# Allegro board rpi-cm4-carrierboard.brd (continued)
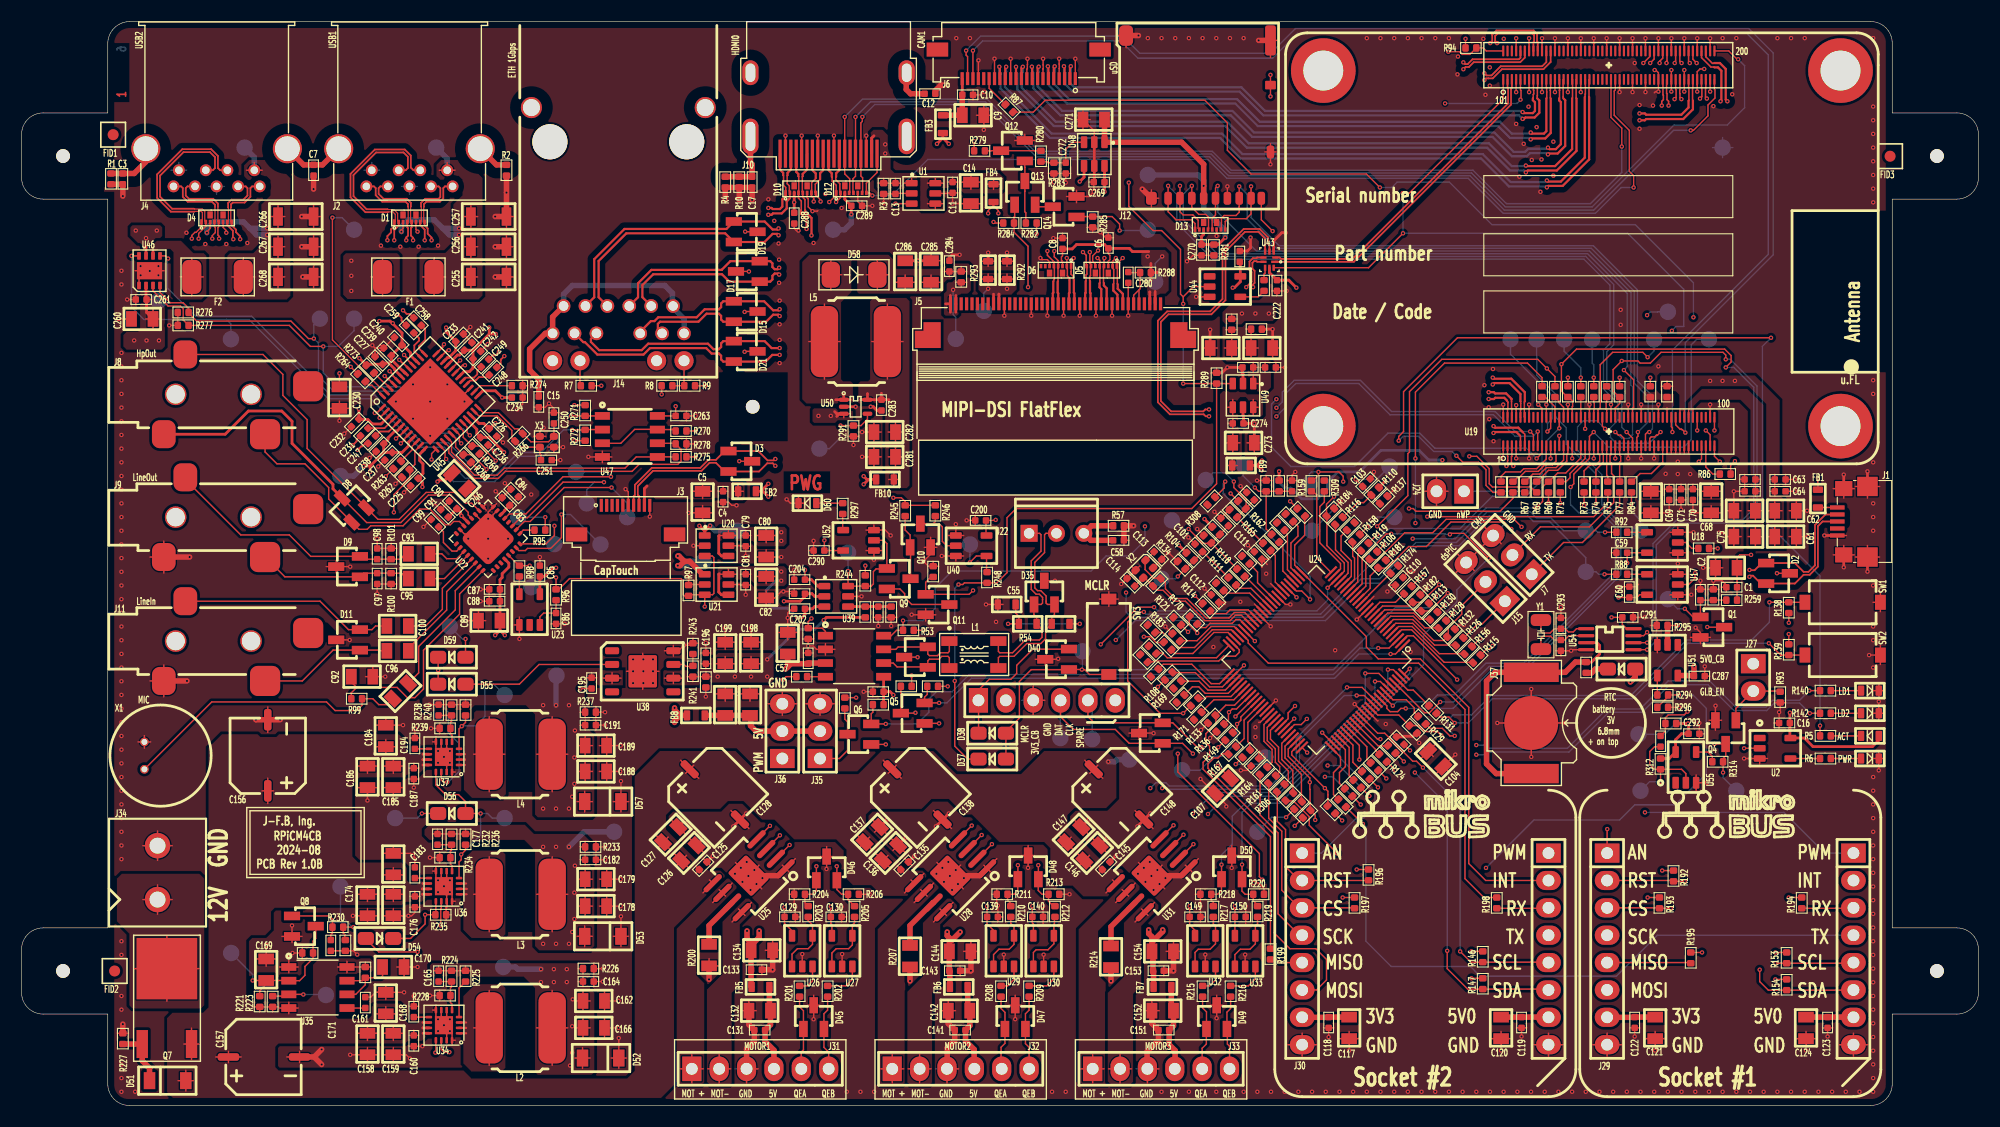
[diagram p0: board, top side]
## Placement (name value [footprint] x y rotation side) (continued)
R123  22R  [0402_RES_IPC]  108.5 37.1 45 top
R124  22R  [0402_RES_IPC]  126.7 31.9 135 top
R125  22R  [0402_RES_IPC]  127.5 32.7 135 top
R126  22R  [0402_RES_IPC]  133.8 43.4 225 top
R127  22R  [0402_RES_IPC]  123.5 28.7 135 top
R128  22R  [0402_RES_IPC]  132.2 45 225 top
R129  22R  [0402_RES_IPC]  130.3 35.4 135 top
R130  22R  [0402_RES_IPC]  131.4 45.8 225 top
R131  22R  [0402_RES_IPC]  131.3 36.4 135 top
R132  10K  [0402_RES_IPC]  132.3 43.5 45 top
R133  10K  [0402_RES_IPC]  110.8 36.2 225 top
R134  10K  [0402_RES_IPC]  108 49.8 135 top
R135  10K  [0402_RES_IPC]  110.4 52.2 135 top
R136  10K  [0402_RES_IPC]  111.6 35.4 225 top
R137  10K  [0402_RES_IPC]  126.05 55.85 45 top
R138  10K  [0402_RES_IPC]  164 45.7 90 top
R139  10K  [0402_RES_IPC]  164 42.8 270 top
R140  470R  [0402_RES_IPC]  166.9 38.5 0 top
R142  470R  [0402_RES_IPC]  166.9 36.4 0 top
R143  1Meg  [0402_RES_IPC]  105 48.2 45 top
R145  10K  [0402_RES_IPC]  129.5 34.55 135 top
R146  4K7  [0402_RES_IPC]  135.6 14.3 270 top
R147  4K7  [0402_RES_IPC]  135.6 11.8 270 top
R148  10K  [0402_RES_IPC]  118.4 55.4 315 top
R149  10K  [0402_RES_IPC]  111.7 33.9 45 top
R150  10K  [0402_RES_IPC]  121.9 27.1 135 top
R151  10K  [0402_RES_IPC]  112.9 56.1 315 top
R152  8K06  [0402_RES_IPC]  116.7 58 270 top
R153  4K7  [0402_RES_IPC]  163.8 14.2 270 top
R154  4K7  [0402_RES_IPC]  163.8 11.7 270 top
R156  22R  [0402_RES_IPC]  134.6 42.6 225 top
R157  22R  [0402_RES_IPC]  129 48.2 225 top
R158  22R  [0402_RES_IPC]  124.2 53 225 top
R159  22R  [0402_RES_IPC]  119.7 58 270 top
R160  22R  [0402_RES_IPC]  110.85 48.5 315 top
R161  22R  [0402_RES_IPC]  115.7 29.9 45 top
R162  10K  [0402_RES_IPC]  116 53 315 top
R163  22R  [0402_RES_IPC]  118.1 27.5 45 top
R164  22R  [0402_RES_IPC]  114.9 30.7 45 top
R165  10K  [0402_RES_IPC]  115.2 52.2 315 top
R166  22R  [0402_RES_IPC]  113.3 32.3 45 top
R167  22R  [0402_RES_IPC]  112 32.6 45 top
R168  22R  [0402_RES_IPC]  103.8 41.85 315 top
R169  22R  [0402_RES_IPC]  106.9 38.7 45 top
R170  22R  [0402_RES_IPC]  108.4 45.4 315 top
R171  22R  [0402_RES_IPC]  108.8 35.8 45 top
R172  22R  [0402_RES_IPC]  113.25 51 315 top
R173  22R  [0402_RES_IPC]  117.3 28.3 45 top
R174  22R  [0402_RES_IPC]  127.75 50.1 225 top
R175  22R  [0402_RES_IPC]  122.9 27.7 135 top
R176  4K7  [0402_RES_IPC]  82.6 38.9 180 top
R177  4K7  [0402_RES_IPC]  85.05 38.9 180 top
R181  10K  [0402_RES_IPC]  125.9 49.9 45 top
R182  10K  [0402_RES_IPC]  129.1 46.7 45 top
R183  10K  [0402_RES_IPC]  107.5 43.1 135 top
R184  10K  [0402_RES_IPC]  121.1 54.7 45 top
R185  100K  [0402_RES_IPC]  112.1 55.3 315 top
R186  12K  [0402_RES_IPC]  115.5 58 270 top
R189  4K7  [0402_RES_IPC]  76.4 37.85 270 top
R190  4K7  [0402_RES_IPC]  80 37.2 180 top
R192  10K  [0402_RES_IPC]  153.3 21.8 270 top
R193  10K  [0402_RES_IPC]  152 19.3 270 top
R194  22R  [0402_RES_IPC]  165.2 18.3 90 top
R195  22R  [0402_RES_IPC]  154.9 14.2 270 top
R196  10K  [0402_RES_IPC]  125 21.9 270 top
R197  10K  [0402_RES_IPC]  123.7 19.3 270 top
R198  22R  [0402_RES_IPC]  136.9 18.3 90 top
R199  22R  [0402_RES_IPC]  115.9 14.55 270 top
R200  200m  [0805_RES_IPC]  63.8 13.05 90 top
R201  22R  [0402_RES_IPC]  72.2 10.1 90 top
R202  22R  [0402_RES_IPC]  74.8 10.1 90 top
R203  4K7  [0402_RES_IPC]  73 17.5 90 top
R204  8K06  [0402_RES_IPC]  72.7 19.6 180 top
R205  4K7  [0402_RES_IPC]  77.3 17.5 90 top
R206  8K06  [0402_RES_IPC]  76.7 19.6 0 top
R207  200m  [0805_RES_IPC]  82.45 12.95 90 top
R208  22R  [0402_RES_IPC]  90.9 10.1 90 top
R209  22R  [0402_RES_IPC]  93.5 10.1 90 top
R210  4K7  [0402_RES_IPC]  91.8 17.5 90 top
R211  8K06  [0402_RES_IPC]  91.5 19.6 180 top
R212  4K7  [0402_RES_IPC]  95.9 17.5 90 top
R213  8K06  [0402_RES_IPC]  95.3 19.6 0 top
R214  200m  [0805_RES_IPC]  101.1 12.9 90 top
R215  22R  [0402_RES_IPC]  109.6 10.1 90 top
R216  22R  [0402_RES_IPC]  112.2 10.1 90 top
R217  4K7  [0402_RES_IPC]  110.6 17.5 90 top
R218  8K06  [0402_RES_IPC]  110.4 19.6 180 top
R219  4K7  [0402_RES_IPC]  114.7 17.5 90 top
R220  8K06  [0402_RES_IPC]  114.3 19.6 0 top
R221  100K  [0402_RES_IPC]  22.1 10.15 270 top
R222  100K  [0402_RES_IPC]  31.9 11.85 90 top
R223  30K1  [0402_RES_IPC]  23.3 9.15 90 top
R224  10K  [0402_RES_IPC]  39.9 11.5 90 top
R225  10K  [0402_RES_IPC]  41.2 12.5 270 top
R226  4K7  [0402_RES_IPC]  52.1 12.7 0 top
R227  12K  [0402_RES_IPC]  9.4 6.7 270 top
R228  1K91  [0402_RES_IPC]  38.8 10.2 0 top
R229  100K  [0402_RES_IPC]  26.05 14.15 0 top
R230  10K  [0402_RES_IPC]  29.85 16.55 180 top
R231  1K  [0402_RES_IPC]  30.05 14.35 90 top
R232  10K  [0402_RES_IPC]  39.9 24.2 90 top
R233  4K7  [0402_RES_IPC]  52.3 24 0 top
R234  3K24  [0402_RES_IPC]  38.8 23 0 top
R235  10K  [0402_RES_IPC]  38.4 17.7 0 top
R236  10K  [0402_RES_IPC]  41.2 25.2 270 top
R237  4K7  [0402_RES_IPC]  52.3 36.5 0 top
R238  10K  [0402_RES_IPC]  39.9 36.2 90 top
R239  8K06  [0402_RES_IPC]  38.8 35 0 top
R240  4K7  [0402_RES_IPC]  41.2 37.2 270 top
R241  30K1  [0402_RES_IPC]  62.3 40.8 270 top
R242  4K7  [0402_RES_IPC]  63.5 39.8 270 top
R243  30K1  [0402_RES_IPC]  62.3 42.9 270 top
R244  10K  [0402_RES_IPC]  78.3 49.2 270 top
R245  10K  [0402_RES_IPC]  82 55.7 270 top
R246  10K  [0402_RES_IPC]  84.8 55.7 270 top
R247  1K  [0402_RES_IPC]  78.3 46.3 270 top
R248  22R  [0402_RES_IPC]  89.6 49.5 270 top
R249  10K  [0402_RES_IPC]  80.7 46.3 270 top
R259  6K04  [0402_RES_IPC]  158.2 46.9 0 top
R260  10K  [0402_RES_IPC]  157 46.9 90 top
R261  22R  [0402_RES_IPC]  115.3 76.6 270 top
R262  10K  [0402_RES_IPC]  35.3 58.3 45 top
R263  22R  [0402_RES_IPC]  34.5 59.1 45 top
R264  10K  [0402_RES_IPC]  31.2 67.9 315 top
R266  NP  [0402_RES_IPC]  45.8 61.65 45 top
R268  10K  [0402_RES_IPC]  41 60.4 315 top
R269  10K  [0402_RES_IPC]  41.8 61.2 315 top
R270  10K  [0402_RES_IPC]  60.7 62.6 0 top
R271  10K  [0402_RES_IPC]  52.3 64 90 top
R272  10K  [0402_RES_IPC]  52.3 62.7 270 top
R273  10K  [0402_RES_IPC]  32 68.7 315 top
R274  1K6  [0402_RES_IPC]  46.5 66.8 180 top
R275  10K  [0402_RES_IPC]  60.7 60.2 0 top
R276  10K  [0402_RES_IPC]  14.5 73.6 0 top
R277  10K  [0402_RES_IPC]  14.5 72.4 0 top
R278  10K  [0402_RES_IPC]  61.7 61.4 180 top
R279  10K  [0402_RES_IPC]  89.4 88.6 180 top
R280  0R  [0402_RES_IPC]  94.6 87.6 90 top
R281  10K  [0402_RES_IPC]  110.65 78.9 90 top
R282  10K  [0402_RES_IPC]  93.2 81.9 0 top
R283  1Meg  [0402_RES_IPC]  95.8 87.5 270 top
R284  10K  [0402_RES_IPC]  92.1 81.9 180 top
R285  10K  [0402_RES_IPC]  99.4 81.5 90 top
R286  0R  [0402_RES_IPC]  112.3 73 270 top
R287  10K  [0402_RES_IPC]  115.1 72.05 180 top
R288  10K  [0402_RES_IPC]  104.8 77.3 180 top
R289  10K  [0402_RES_IPC]  110.9 67 90 top
R290  0R  [0402_RES_IPC]  87.2 76.4 90 top
R291  10K  [0402_RES_IPC]  77.2 63.1 270 top
R292  1R5  [0603_RES_IPC]  91.45 76.7 90 top
R293  1R5  [0603_RES_IPC]  89.7 76.7 90 top
R294  0R  [0402_RES_IPC]  152.8 38.1 180 top
R295  100K  [0402_RES_IPC]  151.75 44.55 0 top
R296  NP  [0402_RES_IPC]  151.8 36.95 0 top
R297  470R  [0402_RES_IPC]  76.2 54.9 90 top
R303  22R  [0402_RES_IPC]  117.3 54.9 315 top
R304  22R  [0402_RES_IPC]  104.8 39.8 45 top
R305  22R  [0402_RES_IPC]  107.2 37.4 45 top
R306  22R  [0402_RES_IPC]  116.5 29.1 45 top
R307  22R  [0402_RES_IPC]  104.6 42.65 315 top
R308  22R  [0402_RES_IPC]  110.05 55.75 45 top
R309  22R  [0402_RES_IPC]  120.9 58 270 top
R310  22R  [0402_RES_IPC]  104.5 44.6 315 top
R311  1Meg  [0402_RES_IPC]  84.6 49.05 90 top
R312  510K  [0402_RES_IPC]  152.1 31.2 90 top
R313  510K  [0402_RES_IPC]  152.55 35.45 0 top
R314  0R  [0402_RES_IPC]  156.9 31.9 0 top
R315  30K1  [0402_RES_IPC]  145.2 40.15 90 top
SW1  KSR233G LFG  [KSR233G]  172.5 46.7 180 top
SW2  KSR233G LFG  [KSR233G]  172.5 41.8 180 top
SW3  KSR233G LFG  [KSR233G]  100.9 47 270 top
TP1  test_pad  [TP_CIR_45MIL]  138.18 71.12 180 bottom
TP2  test_pad  [TP_CIR_45MIL]  140.6 71.1 180 bottom
TP3  test_pad  [TP_CIR_45MIL]  152.78 73.66 180 bottom
TP4  test_pad  [TP_CIR_45MIL]  156.59 71.12 180 bottom
TP5  test_pad  [TP_CIR_45MIL]  151.5 71.1 180 bottom
TP6  test_pad  [TP_CIR_45MIL]  114.68 25.4 180 bottom
TP7  test_pad  [TP_CIR_45MIL]  157.86 88.9 180 bottom
TP8  test_pad  [TP_CIR_45MIL]  145.16 53.34 180 bottom
TP9  test_pad  [TP_CIR_45MIL]  76.7 51.3 180 bottom
TP10  test_pad  [TP_CIR_45MIL]  88.01 52.07 180 bottom
TP11  test_pad  [TP_CIR_45MIL]  74.04 60.96 180 bottom
TP12  test_pad  [TP_CIR_45MIL]  89.3 73.75 180 bottom
TP13  test_pad  [TP_CIR_45MIL]  86.7 71.15 180 bottom
TP14  test_pad  [TP_CIR_45MIL]  105.2 76.45 180 bottom
TP15  test_pad  [TP_CIR_45MIL]  150.05 34.45 180 bottom
TP16  test_pad  [TP_CIR_45MIL]  150.24 29.21 180 bottom
TP17  test_pad  [TP_CIR_45MIL]  145.16 49.53 180 bottom
TP18  test_pad  [TP_CIR_45MIL]  159.13 29.21 180 bottom
TP19  test_pad  [TP_CIR_45MIL]  19.45 14.15 180 bottom
TP20  test_pad  [TP_CIR_45MIL]  28.25 10.25 180 bottom
TP21  test_pad  [TP_CIR_45MIL]  44.83 26.67 180 bottom
TP22  test_pad  [TP_CIR_45MIL]  44.83 38.1 180 bottom
TP23  test_pad  [TP_CIR_45MIL]  44.7 12.85 180 bottom
TP24  test_pad  [TP_CIR_45MIL]  54.99 25.4 180 bottom
TP25  test_pad  [TP_CIR_45MIL]  49.65 39.9 180 bottom
TP26  test_pad  [TP_CIR_45MIL]  29.59 58.42 180 bottom
TP27  test_pad  [TP_CIR_45MIL]  102.8 32.1 180 bottom
TP28  test_pad  [TP_CIR_45MIL]  150.24 53.34 180 bottom
TP29  test_pad  [TP_CIR_45MIL]  104.52 81.28 180 bottom
TP30  test_pad  [TP_CIR_45MIL]  104.52 86.36 180 bottom
TP31  test_pad  [TP_CIR_45MIL]  75.31 81.28 180 bottom
TP32  test_pad  [TP_CIR_45MIL]  152.78 46.99 180 bottom
TP33  test_pad  [TP_CIR_45MIL]  30.86 81.28 180 bottom
TP34  test_pad  [TP_CIR_45MIL]  19.43 71.12 180 bottom
TP35  test_pad  [TP_CIR_45MIL]  30.86 73.03 180 bottom
TP36  test_pad  [TP_CIR_45MIL]  12.7 74.65 180 bottom
TP37  test_pad  [TP_CIR_45MIL]  27.68 73.03 180 bottom
TP38  test_pad  [TP_CIR_45MIL]  38.48 88.9 180 bottom
TP39  test_pad  [TP_CIR_45MIL]  20.7 88.9 180 bottom
TP40  test_pad  [TP_CIR_45MIL]  52.45 55.88 180 bottom
TP41  test_pad  [TP_CIR_45MIL]  51.45 58.8 180 bottom
TP42  test_pad  [TP_CIR_45MIL]  56.2 54.6 180 bottom
TP43  test_pad  [TP_CIR_45MIL]  46.1 54.61 180 bottom
TP44  test_pad  [TP_CIR_45MIL]  49.45 52.1 180 bottom
TP45  test_pad  [TP_CIR_45MIL]  53.72 52.07 180 bottom
TP46  test_pad  [TP_CIR_45MIL]  47.3 48.1 180 bottom
TP47  test_pad  [TP_CIR_45MIL]  66.42 53.34 180 bottom
TP48  test_pad  [TP_CIR_45MIL]  63.3 50.5 180 bottom
TP49  test_pad  [TP_CIR_45MIL]  127.38 54.61 180 bottom
TP50  test_pad  [TP_CIR_45MIL]  119.76 53.34 180 bottom
TP51  test_pad  [TP_CIR_45MIL]  119.5 57.65 180 bottom
TP52  test_pad  [TP_CIR_45MIL]  126.95 59.3 180 bottom
TP53  test_pad  [TP_CIR_45MIL]  109.9 58.05 180 bottom
TP54  test_pad  [TP_CIR_45MIL]  113.35 59.5 180 bottom
TP55  test_pad  [TP_CIR_45MIL]  105.79 48.9 180 bottom
TP56  test_pad  [TP_CIR_45MIL]  106.75 54.3 180 bottom
TP57  test_pad  [TP_CIR_45MIL]  98.45 42.15 180 bottom
TP58  test_pad  [TP_CIR_45MIL]  115.45 32.3 180 bottom
TP59  test_pad  [TP_CIR_45MIL]  107.69 31.11 180 bottom
TP60  test_pad  [TP_CIR_45MIL]  145.75 71.1 180 bottom
TP61  test_pad  [TP_CIR_45MIL]  143.15 71.1 180 bottom
TP62  test_pad  [TP_CIR_45MIL]  29.59 20.32 180 bottom
TP63  test_pad  [TP_CIR_45MIL]  39.75 44.45 180 bottom
TP64  test_pad  [TP_CIR_45MIL]  34.67 26.67 180 bottom
TP65  test_pad  [TP_CIR_45MIL]  96.4 34.1 180 bottom
TP66  test_pad  [TP_CIR_45MIL]  99.35 34 180 bottom
U1  AP22913W6  [SOT23-6]  82.6 85.6 270 top
U2  SN74LVC1G14DBVR  [SOT23-5]  161.3 34.1 270 top
U15  MCP2562FD  [SOIC-8]  74.6 43.6 0 top
U17  SN74LVC1G125DBVR  [SOT23-5]  153.7 47.4 90 top
U18  SN74LVC1G125DBVR  [SOT23-5]  153.7 51.3 90 top
U19  -  [RPI_CM4]  172.3 99.55 180 top
U20  AP22913W6  [SOT23-6]  63.4 52.9 270 top
U21  AP22913W6  [SOT23-6]  63.4 49.3 270 top
U22  SGTL5000XNAA3  [QFN32_0_5MM]  43.3 52.6 315 top
U23  SIT2001B1  [SOT23-5]  46.2 44.6 0 top
U24  dsPIC33CKXXXXMPXXX  [TQFP100_12X12X1MM]  128.3 42.7 225 top
U25  DRV8872  [HSOP8-EP]  70.9 22 135 top
U26  MCP6L91  [SOT23-5]  71.5 12.9 0 top
U27  MCP6L91  [SOT23-5]  75.2 12.9 0 top
U28  DRV8872  [HSOP8-EP]  89.6 22 135 top
U29  MCP6L91  [SOT23-5]  90.2 12.9 0 top
U30  MCP6L91  [SOT23-5]  93.9 12.9 0 top
U31  DRV8872  [HSOP8-EP]  108.3 22 135 top
U32  MCP6L91  [SOT23-5]  108.9 12.9 0 top
U33  MCP6L91  [SOT23-5]  112.6 12.9 0 top
U34  TLV62130ARGTR  [VQFN-16_3X3MM]  40.6 6.7 180 top
U35  SE555  [SOIC-8]  24.8 12.85 0 top
U36  TLV62130ARGTR  [VQFN-16_3X3MM]  40.6 19.6 180 top
U37  TLV62130ARGTR  [VQFN-16_3X3MM]  40.6 31.6 180 top
U38  TPS7A7002  [PG-DSO-8]  54.8 42.2 0 top
U39  STM6710DWB6F  [SOT23-6]  74.5 48.2 270 top
U40  SN74LVC1G125DBVR  [SOT23-5]  86.7 52.9 270 top
U43  FSUSB42UMX  [UMLP-10]  115.8 78.5 180 top
U44  SN74LVC1G14DBVR  [SOT23-5]  110.25 76.95 270 top
U45  uPD720202  [QFN_48_EP_7X7MM]  33.5 64.8 315 top
U46  AP2192A  [U-DFN3030-8-EP]  10.9 76.1 0 top
U47  SST25VF512A  [SOIC-8_5_1MM_WIDE]  53.9 64 0 top
U48  AP22913W6  [SOT23-6]  100.5 89.4 180 top
U49  AP22913W6  [SOT23-6]  114.3 67 180 top
U50  TPS61169DCKR  [SC70-5]  76.3 65.5 270 top
U51  SN74LVC1G14DBVR  [SOT23-5]  153.7 42.75 180 top
U52  SN74LVC1G125DBVR  [SOT23-5]  79.1 51.5 90 top
U54  MCP7940N  [MSOP8]  145.2 44.25 270 top
U55  SN74LVC1G07DBVR  [SOT23-5]  153.5 29.95 0 top
X1  CMA-4544PF-W  [CMB-6544PF]  11.4 31.2 180 top
X2  ABM11-20.000MHZ-D2X-T3  [XTAL_4P_2MMX1_6MM]  104.3 50.6 225 top
X3  ABM11-24.000MHZ-D2X-T3  [XTAL_4P_2MMX1_6MM]  49.4 62.1 180 top
Y1  32.768kHz  [2-SMD_XTAL]  141 42.35 90 top

## Library data of the parts
C1-C17 C54-C65 C68-C71 C75-C104 C107-C127 C129-C137 C139-C147 C149-C154 C158-C162 C164-C166 C168-C179 C182-C189 C191 C192 C194-C196 C198-C206 C222-C227 C230-C234 C236-C242 C246-C251 C255-C261 C263 C266-C277 C279-C295 = CAP-NP
C128 C138 C148 C156 C157 = CAP-POL
D1 D4-D6 D10 D12 D13 = ESD7016
D2 D3 D8 D9 D11 D15 D17 D19 D21 D39 D40 D46 D48 D50 = D1213A-02SOL
D16 D20 D41 D43 D60 = LED_GRN_0603
D34 D35 = Diode Unidir dual SOT23-3
D37 D38 D54-D56 D59 D61 = Diode Schottky
D45 D47 D49 = Diode Unidir dual SOT23-3_0
D51-D53 D57 = Diode Zener
D58 = SK34A-LTP
F1 F2 = MINISMDC050F-2
FB1-FB10 = BLM18PG121SN1D
FID1-FID3 = Fiducial
J1 = uUSB-B_1
J2 J4 = 484050003
J3 = 5051101092_9
J5 = 62684-402100ALF
J6 = 5051102291
J7 J15 J22 J35 J36 = HEADER 3
J8 J9 J11 = SJ-352X-SMT_6
J10 = 2086581001
J12 = DM3AT_uSD_CONNECTOR_0
J14 = 0826-1X1T-32-F
J24 J27 J34 = HEADER 2
J28 J31-J33 = HEADER 6
J29 J30 = MikroBUS
J37 = 2998TR
L1 = ACT45B-220
L2-L5 = Inductor
Q1 Q4-Q6 Q8-Q14 = 2N7002
Q7 = MOSFET P GSD
R1-R10 R53-R58 R60-R64 R66-R77 R83-R89 R92-R98 R100-R106 R108-R140 R142 R143 R145-R154 R156-R177 R181-R186 R189 R190 R192-R199 R201-R206 R208-R213 R215-R249 R259-R264 R266 R268-R297 R303-R315 = Resistor
R99 R200 R207 R214 = RESISTOR
SW1-SW3 = SW PUSHBUTTON
TP1-TP66 = test_pad
U1 U20 U21 U48 U49 = AP22913W6-7
U2 U44 U51 = SN74LVC1G14
U15 = MCP2562FD-E/SN
U17 U18 U40 U52 = SN74LVC1G125
U19 = RPi_CM4_7
U22 = SGTL5000-QFN32_1
U23 = SIT2001BI-S2-33E-12_0
U24 = dsPIC33CKXXXXMPXXX
U25 U28 U31 = DRV8872_1
U26 U27 U29 U30 U32 U33 = TSV991AILT_0
U34 U36 U37 = TLV62130
U35 = SE555
U38 = TPS7A7002_0
U39 = STM6710DWB6F
U43 = FSUSB42UMX
U45 = uPD720202_0
U46 = AP2192A_0
U47 = SST25VF512A
U50 = TPS61169
U54 = MCP7940N
U55 = SN74LVC1G07
X1 = CMB-6544PF_4
X2 X3 = XTAL_4P
Y1 = CRYSTAL

## Footprints (pads in the part's own frame, mm; a bottom-side part is the same pattern mirrored in y, then rotated)
2-SMD_XTAL
  rrect 1.1x1.9 smd: 1(0,0) 2(2.7,0)
10-UFDFN
  rect 0.25x0.5 smd: 1(0,0)
  rect 0.25x0.4 smd: 2(0.4,0) 3(0.8,0) 4(1.2,0) 5(1.6,0) 6(2,0) 7(2.4,0) 8(2.8,0)
  rect 0.5x0.65 smd: 9(0.8,0.65) 10(2,0.65)
0402_CAP_IPC
  rrect 0.6x0.6 smd: 1(0,0) 2(1,0)
0402_RES_IPC
  rrect 0.6x0.7 smd: 1(0,0) 2(1,0)
0603_CAP_IPC
  rrect 0.6x0.95 smd: 1(0,0) 2(1.651,0)
0603_FB
  rrect 0.6x0.95 smd: 1(0,0) 2(1.651,0)
0603_LED
  rrect 0.6x0.95 smd: 1(0,0) 2(1.651,0)
0603_RES_IPC
  rrect 0.6x0.95 smd: 1(0,0) 2(1.651,0)
0805_CAP
  rect 1x1.45 smd: 1(-0.1,0) 2(1.9,0)
0805_RES_IPC
  rect 1x1.45 smd: 1(-0.1,0) 2(1.9,0)
0826-1X1T-32-F
  round 1.27 hole 0.889: 1(0,0) 2(2.032,0) 3(4.064,0) 4(6.096,0) 5(8.128,0) 6(10.16,0) 7(-1.016,-2.54) 8(1.016,-2.54) 9(3.048,-2.54) 10(7.112,-2.54) 11(9.144,-2.54) 12(11.176,-2.54)
  round 1.778 hole 1.016: 13(-1.016,-5.08) 14(1.524,-5.08) 15(8.636,-5.08) 16(11.176,-5.08)
  round 3.251 hole 3.251: 17(-1.27,15.24) 18(11.43,15.24)
  round 1.956 hole 1.575: 19(-2.985,18.415) 20(13.145,18.415)
1206_CAP
  rect 0.9x1.7 smd: 1(-0.2,0) 2(3.1,0)
1812_PTC
  rrect 1.78x3.15 smd: 1(0,0) 2(4.78,0)
2998TR
  rect 1.8x5.1 smd: 1(0,0) 2(9.4,0)
  round 5 smd: 3(4.7,0)
62684-402100ALF
  rect 0.3x1.2 smd: 1(0,0) 2(0.5,0) 3(1,0) 4(1.5,0) 5(2,0) 6(2.5,0) 7(3,0) 8(3.5,0) 9(4,0) 10(4.5,0) 11(5,0) 12(5.5,0) 13(6,0) 14(6.5,0) 15(7,0) 16(7.5,0) 17(8,0) 18(8.5,0) 19(9,0) 20(9.5,0) 21(10,0) 22(10.5,0) 23(11,0) 24(11.5,0) 25(12,0) 26(12.5,0) 27(13,0) 28(13.5,0) 29(14,0) 30(14.5,0) 31(15,0) 32(15.5,0) 33(16,0) 34(16.5,0) 35(17,0) 36(17.5,0) 37(18,0) 38(18.5,0) 39(19,0) 40(19.5,0)
484050003
  round 1.1 hole 0.7: 1(0,0) 2(2.5,0) 3(4.5,0) 4(7,0) 5(7.5,1.5) 6(5.5,1.5) 7(3.5,1.5) 8(1.5,1.5) 9(-0.5,1.5)
  round 2.7 hole 2.3: 10(-3.07,-2) 11(10.07,-2)
2086581001
  rect 0.3x2.6 smd: 1(0,0) 2(-0.5,0) 3(-1,0) 4(-1.5,0) 5(-2,0) 6(-2.5,0) 7(-3,0) 8(-3.5,0) 9(-4,0) 10(-4.5,0) 11(-5,0) 12(-5.5,0) 13(-6,0) 14(-6.5,0) 15(-7,0) 16(-7.5,0) 17(-8,0) 18(-8.5,0) 19(-9,0)
  oval 1.5x3.3 hole 0.9x2.7: 20(2.75,-1.6) 21(-11.75,-1.6)
  oval 1.5x2.3 hole 0.9x1.7: 22(-11.75,-7.51) 23(2.75,-7.51)
5051101092
  rect 0.3x1.2 smd: 1(0,0) 2(0.5,0) 3(1,0) 4(1.5,0) 5(2,0) 6(2.5,0) 7(3,0) 8(3.5,0) 9(4,0) 10(4.5,0)
  rect 2x1.3 smd: 11(-2.3,-2.7) 12(6.8,-2.7)
5051102291
  rect 0.3x1.2 smd: 1(0,0) 2(0.5,0) 3(1,0) 4(1.5,0) 5(2,0) 6(2.5,0) 7(3,0) 8(3.5,0) 9(4,0) 10(4.5,0) 11(5,0) 12(5.5,0) 13(6,0) 14(6.5,0) 15(7,0) 16(7.5,0) 17(8,0) 18(8.5,0) 19(9,0) 20(9.5,0) 21(10,0) 22(10.5,0)
  rect 2x1.3 smd: 23(-2.3,-2.7) 24(12.8,-2.7)
ACT45B
  rect 1.5x0.9 smd: 1(0,0) 2(0,-2.5) 3(4.55,-2.5) 4(4.55,0)
ALUM_CAP_6_6MM
  rrect 2x0.7 smd: 1(0,0) 2(6.6,0)
CMB-6544PF
  round 0.8 hole 0.55: 1(0,0) 2(0,-2.54)
DM3AT
  rrect 0.7x1.2 smd: 1(0,0) 2(-1.1,0) 3(-2.2,0) 4(-3.3,0) 5(-4.4,0) 6(-5.5,0) 7(-6.6,0) 8(-7.7,0) 9(-8.65,0) 11(-9.5,-4.3)
  rrect 1x0.8 smd: 10(-9.5,-10.5)
  rrect 1x2.8 smd: 12(-9.5,-14.65)
  rrect 1.3x1.9 smd: 13(3.9,-15.1)
  rrect 1x1.2 smd: 14(1.55,0)
DO-214AC
  rrect 1.7x2.4 smd: 1(0,0) 2(4.32,0)
FIDUCIAL_CIR40MIL
  round 1.016 smd: 1(0,0)
HSOP8-EP
  oval 0.5x2.2 smd: 1(0,0) 2(1.27,0) 3(2.54,0) 4(3.81,0) 5(3.81,5.75) 6(2.54,5.75) 7(1.27,5.75) 8(0,5.75)
  rrect 3.1x2.4 smd: 9(1.95,2.9)
KSR233G
  rect 1x1.4 smd: 1(0,0) 2(7,0)
MIKROBUS
  rect 2.286x1.778 hole 1.092: 1(2.54,20.32) 16(25.4,20.32)
  oval 2.286x1.778 hole 1.092: 2(2.54,17.78) 3(2.54,15.24) 4(2.54,12.7) 5(2.54,10.16) 6(2.54,7.62) 7(2.54,5.08) 8(2.54,2.54) 9(25.4,2.54) 10(25.4,5.08) 11(25.4,7.62) 12(25.4,10.16) 13(25.4,12.7) 14(25.4,15.24) 15(25.4,17.78)
MOLEX3P100
  rect 1.575x1.575 hole 0.965: 1(0,0)
  round 1.575 hole 0.965: 2(2.54,0) 3(5.08,0)
MSOP8
  rrect 0.3x1.5 smd: 1(0,0) 2(0.65,0) 3(1.3,0) 4(1.95,0) 5(1.95,4.388) 6(1.3,4.388) 7(0.65,4.388) 8(0,4.388)
PG-DSO-8
  rrect 1.31x0.65 smd: 1(0,0) 2(0,-1.27) 3(0,-2.54) 4(0,-3.81) 5(5.69,-3.81) 6(5.69,-2.54) 7(5.69,-1.27) 8(5.69,0)
  rrect 2.65x3 smd: 9(2.845,-1.905)
QFN32_0_5MM
  rrect 0.5x0.3 smd: 1(-2.425,1.75) 2(-2.425,1.25) 3(-2.425,0.75) 4(-2.425,0.25) 5(-2.425,-0.25) 6(-2.425,-0.75) 7(-2.425,-1.25) 8(-2.425,-1.75) 17(2.425,-1.75) 18(2.425,-1.25) 19(2.425,-0.75) 20(2.425,-0.25) 21(2.425,0.25) 22(2.425,0.75) 23(2.425,1.25) 24(2.425,1.75)
  rrect 0.3x0.5 smd: 9(-1.75,-2.425) 10(-1.25,-2.425) 11(-0.75,-2.425) 12(-0.25,-2.425) 13(0.25,-2.425) 14(0.75,-2.425) 15(1.25,-2.425) 16(1.75,-2.425) 25(1.75,2.425) 26(1.25,2.425) 27(0.75,2.425) 28(0.25,2.425) 29(-0.25,2.425) 30(-0.75,2.425) 31(-1.25,2.425) 32(-1.75,2.425)
  rrect 3.6x3.6 smd: 33(0,0)
QFN_48_EP_7X7MM
  rrect 0.25x0.8 smd: 1(0,0) 2(0.5,0) 3(1,0) 4(1.5,0) 5(2,0) 6(2.5,0) 7(3,0) 8(3.5,0) 9(4,0) 10(4.5,0) 11(5,0) 12(5.5,0) 25(5.5,7) 26(5,7) 27(4.5,7) 28(4,7) 29(3.5,7) 30(3,7) 31(2.5,7) 32(2,7) 33(1.5,7) 34(1,7) 35(0.5,7) 36(0,7)
  rrect 0.8x0.25 smd: 13(6.25,0.75) 14(6.25,1.25) 15(6.25,1.75) 16(6.25,2.25) 17(6.25,2.75) 18(6.25,3.25) 19(6.25,3.75) 20(6.25,4.25) 21(6.25,4.75) 22(6.25,5.25) 23(6.25,5.75) 24(6.25,6.25) 37(-0.75,6.25) 38(-0.75,5.75) 39(-0.75,5.25) 40(-0.75,4.75) 41(-0.75,4.25) 42(-0.75,3.75) 43(-0.75,3.25) 44(-0.75,2.75) 45(-0.75,2.25) 46(-0.75,1.75) 47(-0.75,1.25) 48(-0.75,0.75)
  rect 5.7x5.7 smd: 49(2.75,3.5)
RPI_CM4
  rrect 0.2x1 smd: 1(34.8,38.322) 2(34.8,35.682) 3(34.4,38.322) 4(34.4,35.682) 5(34,38.322) 6(34,35.682) 7(33.6,38.322) 8(33.6,35.682) 9(33.2,38.322) 10(33.2,35.682) 11(32.8,38.322) 12(32.8,35.682) 13(32.4,38.322) 14(32.4,35.682) 15(32,38.322) 16(32,35.682) 17(31.6,38.322) 18(31.6,35.682) 19(31.2,38.322) 20(31.2,35.682) 21(30.8,38.322) 22(30.8,35.682) 23(30.4,38.322) 24(30.4,35.682) 25(30,38.322) 26(30,35.682) 27(29.6,38.322) 28(29.6,35.682) 29(29.2,38.322) 30(29.2,35.682) 31(28.8,38.322) 32(28.8,35.682) 33(28.4,38.322) 34(28.4,35.682) 35(28,38.322) 36(28,35.682) 37(27.6,38.322) 38(27.6,35.682) 39(27.2,38.322) 40(27.2,35.682) 41(26.8,38.322) 42(26.8,35.682) 43(26.4,38.322) 44(26.4,35.682) 45(26,38.322) 46(26,35.682) 47(25.6,38.322) 48(25.6,35.682) 49(25.2,38.322) 50(25.2,35.682) 51(24.8,38.322) 52(24.8,35.682) 53(24.4,38.322) 54(24.4,35.682) 55(24,38.322) 56(24,35.682) 57(23.6,38.322) 58(23.6,35.682) 59(23.2,38.322) 60(23.2,35.682) 61(22.8,38.322) 62(22.8,35.682) 63(22.4,38.322) 64(22.4,35.682) 65(22,38.322) 66(22,35.682) 67(21.6,38.322) 68(21.6,35.682) 69(21.2,38.322) 70(21.2,35.682) 71(20.8,38.322) 72(20.8,35.682) 73(20.4,38.322) 74(20.4,35.682) 75(20,38.322) 76(20,35.682) 77(19.6,38.322) 78(19.6,35.682) 79(19.2,38.322) 80(19.2,35.682) 81(18.8,38.322) 82(18.8,35.682) 83(18.4,38.322) 84(18.4,35.682) 85(18,38.322) 86(18,35.682) 87(17.6,38.322) 88(17.6,35.682) 89(17.2,38.322) 90(17.2,35.682) 91(16.8,38.322) 92(16.8,35.682) 93(16.4,38.322) 94(16.4,35.682) 95(16,38.322) 96(16,35.682) 97(15.6,38.322) 98(15.6,35.682) 99(15.2,38.322) 100(15.2,35.682) 101(34.8,4.317) 102(34.8,1.677) 103(34.4,4.317) 104(34.4,1.677) 105(34,4.317) 106(34,1.677) 107(33.6,4.317) 108(33.6,1.677) 109(33.2,4.317) 110(33.2,1.677) 111(32.8,4.317) 112(32.8,1.677) 113(32.4,4.317) 114(32.4,1.677) 115(32,4.317) 116(32,1.677) 117(31.6,4.317) 118(31.6,1.677) 119(31.2,4.317) 120(31.2,1.677) 121(30.8,4.317) 122(30.8,1.677) 123(30.4,4.317) 124(30.4,1.677) 125(30,4.317) 126(30,1.677) 127(29.6,4.317) 128(29.6,1.677) 129(29.2,4.317) 130(29.2,1.677) 131(28.8,4.317) 132(28.8,1.677) 133(28.4,4.317) 134(28.4,1.677) 135(28,4.317) 136(28,1.677) 137(27.6,4.317) 138(27.6,1.677) 139(27.2,4.317) 140(27.2,1.677) 141(26.8,4.317) 142(26.8,1.677) 143(26.4,4.317) 144(26.4,1.677) 145(26,4.317) 146(26,1.677) 147(25.6,4.317) 148(25.6,1.677) 149(25.2,4.317) 150(25.2,1.677) 151(24.8,4.317) 152(24.8,1.677) 153(24.4,4.317) 154(24.4,1.677) 155(24,4.317) 156(24,1.677) 157(23.6,4.317) 158(23.6,1.677) 159(23.2,4.317) 160(23.2,1.677) 161(22.8,4.317) 162(22.8,1.677) 163(22.4,4.317) 164(22.4,1.677) 165(22,4.317) 166(22,1.677) 167(21.6,4.317) 168(21.6,1.677) 169(21.2,4.317) 170(21.2,1.677) 171(20.8,4.317) 172(20.8,1.677) 173(20.4,4.317) 174(20.4,1.677) 175(20,4.317) 176(20,1.677) 177(19.6,4.317) 178(19.6,1.677) 179(19.2,4.317) 180(19.2,1.677) 181(18.8,4.317) 182(18.8,1.677) 183(18.4,4.317) 184(18.4,1.677) 185(18,4.317) 186(18,1.677) 187(17.6,4.317) 188(17.6,1.677) 189(17.2,4.317) 190(17.2,1.677) 191(16.8,4.317) 192(16.8,1.677) 193(16.4,4.317) 194(16.4,1.677) 195(16,4.317) 196(16,1.677) 197(15.6,4.317) 198(15.6,1.677) 199(15.2,4.317) 200(15.2,1.677)
  round 6 hole 3.7: 201(3.5,36.5) 202(51.5,36.5) 203(3.5,3.5) 204(51.5,3.5)
SC70-5
  rrect 0.4x0.9 smd: 1(0,0) 2(0.65,0) 3(1.3,0) 4(1.3,2.2) 5(0,2.2)
SJ-352X-SMT
  rrect 2.2x2.6 smd: 1(-1.1,-3.7) 3(0.9,3.7)
  rrect 2.8x2.8 smd: 2(8.3,-3.7) 4(12.3,0.75)
  round 2 hole 1.7: 5(0,0) 6(7,0)
SMALL_HEADER2P100
  rect 1.778x2.286 hole 1.092: 1(0,0)
  oval 1.778x2.286 hole 1.092: 2(2.54,0)
SMALL_HEADER3P100
  rect 1.778x2.286 hole 1.092: 1(0,0)
  oval 1.778x2.286 hole 1.092: 2(2.54,0) 3(5.08,0)
SMALL_HEADER6P100
  rect 1.778x2.286 hole 1.092: 1(0,0)
  oval 1.778x2.286 hole 1.092: 2(2.54,0) 3(5.08,0) 4(7.62,0) 5(10.16,0) 6(12.7,0)
SOD123
  rect 1.067x1.575 smd: 1(-1.524,0) 2(1.841,0)
SOD323
  rrect 1.5x1.2 smd: 1(0,0) 2(2.54,0)
SOIC-8
  rect 1.397x0.711 smd: 1(0,0) 2(0,-1.27) 3(0,-2.54) 4(0,-3.81) 5(5.4,-3.81) 6(5.4,-2.54) 7(5.4,-1.27) 8(5.4,0)
SOIC-8_5_1MM_WIDE
  rect 1.397x0.711 smd: 1(0,0) 2(0,-1.27) 3(0,-2.54) 4(0,-3.81) 5(5.105,-3.81) 6(5.105,-2.54) 7(5.105,-1.27) 8(5.105,0)
SOT23-3
  rect 1.5x0.8 smd: 1(0,-0.061) 2(0,-1.961) 3(2.2,-1.011)
SOT23-5
  rrect 0.6x1.1 smd: 1(0,0) 2(0.95,0) 3(1.9,0) 4(1.9,2.85) 5(0,2.85)
SOT23-6
  rrect 0.6x1.1 smd: 1(0,0) 2(0.95,0) 3(1.9,0) 4(1.9,2.2) 5(0.95,2.2) 6(0,2.2)
SRN8040TA
  rrect 2.54x6.604 smd: 1(0,0) 2(5.842,0)
TERMBLOCK_5MM_2POS
  round 2.362 hole 1.473: 1(0,0) 2(5,0)
TO-252-3
  rect 1.06x2.6 smd: 1(0,0) 2(4.572,0)
  rect 5.632x5.7 smd: 3(2.286,7)
TP_CIR_45MIL
  round 1.524 smd: 1(0,0)
TQFP100_12X12X1MM
  rect 1.5x0.2 smd: 1(0,0) 2(0,-0.4) 3(0,-0.8) 4(0,-1.2) 5(0,-1.6) 6(0,-2) 7(0,-2.4) 8(0,-2.8) 9(0,-3.2) 10(0,-3.6) 11(0,-4) 12(0,-4.4) 13(0,-4.8) 14(0,-5.2) 15(0,-5.6) 16(0,-6) 17(0,-6.4) 18(0,-6.8) 19(0,-7.2) 20(0,-7.6) 21(0,-8) 22(0,-8.4) 23(0,-8.8) 24(0,-9.2) 25(0,-9.6) 51(13.4,-9.6) 52(13.4,-9.2) 53(13.4,-8.8) 54(13.4,-8.4) 55(13.4,-8) 56(13.4,-7.6) 57(13.4,-7.2) 58(13.4,-6.8) 59(13.4,-6.4) 60(13.4,-6) 61(13.4,-5.6) 62(13.4,-5.2) 63(13.4,-4.8) 64(13.4,-4.4) 65(13.4,-4) 66(13.4,-3.6) 67(13.4,-3.2) 68(13.4,-2.8) 69(13.4,-2.4) 70(13.4,-2) 71(13.4,-1.6) 72(13.4,-1.2) 73(13.4,-0.8) 74(13.4,-0.4) 75(13.4,0)
  rect 0.2x1.5 smd: 26(1.9,-11.5) 27(2.3,-11.5) 28(2.7,-11.5) 29(3.1,-11.5) 30(3.5,-11.5) 31(3.9,-11.5) 32(4.3,-11.5) 33(4.7,-11.5) 34(5.1,-11.5) 35(5.5,-11.5) 36(5.9,-11.5) 37(6.3,-11.5) 38(6.7,-11.5) 39(7.1,-11.5) 40(7.5,-11.5) 41(7.9,-11.5) 42(8.3,-11.5) 43(8.7,-11.5) 44(9.1,-11.5) 45(9.5,-11.5) 46(9.9,-11.5) 47(10.3,-11.5) 48(10.7,-11.5) 49(11.1,-11.5) 50(11.5,-11.5) 76(11.5,1.9) 77(11.1,1.9) 78(10.7,1.9) 79(10.3,1.9) 80(9.9,1.9) 81(9.5,1.9) 82(9.1,1.9) 83(8.7,1.9) 84(8.3,1.9) 85(7.9,1.9) 86(7.5,1.9) 87(7.1,1.9) 88(6.7,1.9) 89(6.3,1.9) 90(5.9,1.9) 91(5.5,1.9) 92(5.1,1.9) 93(4.7,1.9) 94(4.3,1.9) 95(3.9,1.9) 96(3.5,1.9) 97(3.1,1.9) 98(2.7,1.9) 99(2.3,1.9) 100(1.9,1.9)
U-DFN3030-8-EP
  rrect 0.35x0.7 smd: 1(0,0) 2(0.65,0) 3(1.3,0) 4(1.95,0) 5(1.95,2.75) 6(1.3,2.75) 7(0.65,2.75) 8(0,2.75)
  rect 2.35x1.6 smd: 9(0.975,1.375)
UMLP-10
  rect 0.663x0.225 smd: 1(-0.5,0.2)
  rect 0.563x0.225 smd: 2(-0.55,-0.2) 6(0.55,-0.2) 7(0.55,0.2)
  rect 0.225x0.563 smd: 3(-0.4,-0.75) 4(0,-0.75) 5(0.4,-0.75) 8(0.4,0.75) 9(0,0.75) 10(-0.4,0.75)
unnamed
  round 1.27 hole 3.962 unplated: (0,0)
unnamed#2
  round 0 hole 24x3 unplated: (0,0)
unnamed#3
  round 0 hole 8x3 unplated: (0,0)
UUSB-B
  rect 0.4x1.35 smd: 1(0,0) 2(0.65,0) 3(1.3,0) 4(1.95,0) 5(2.6,0)
  rect 1.4x1.6 smd: 6(-1.8,-0.6) 7(4.35,-0.6)
  rect 1.8x1.9 smd: 8(-2,-2.8) 9(4.55,-2.8)
VQFN-16_3X3MM
  rrect 0.6x0.24 smd: 1(0,0) 2(0,-0.5) 3(0,-1) 4(0,-1.5) 9(2.8,-1.5) 10(2.8,-1) 11(2.8,-0.5) 12(2.8,0)
  rrect 0.24x0.6 smd: 5(0.65,-2.15) 6(1.15,-2.15) 7(1.65,-2.15) 8(2.15,-2.15) 13(2.15,0.65) 14(1.65,0.65) 15(1.15,0.65) 16(0.65,0.65)
  rect 1.68x1.68 smd: 17(1.4,-0.75)
XTAL_4P_2MMX1_6MM
  rrect 0.75x0.65 smd: 1(0,0) 2(1.3,0) 3(1.3,1) 4(0,1)

## Nets
1V0_CB: C196.2 C198.1 C199.1 C236.2 C237.2 C238.2 C239.2 C240.2 C241.2 C242.2 C246.1 R104.1 R241.2 R242.1 R247.2 TP26.1(TEST) U38.6 U45.6 U45.9 U45.21 U45.30 U45.33 U45.39 U45.42
1V8_CB: C81.2 C82.1 C188.1 C189.1 C191.2 C192.2 C195.1 C202.1 D57.2(K) L4.2 R105.1 R237.1 R238.2 R240.1 TP25.1(TEST) U21.4 U21.6 U37.14(VOS) U38.3 U39.3
1V8_CM4: C75.1 C76.1 C77.2 C78.2 U19.88 U19.90
1V8_CODEC: C83.1 C84.2 TP48.1(TEST) U21.1(OUT) U22.30
1V8_PG: D55.1 R240.2 TP22.1(TEST) U37.4 U38.2
3V3_CB: C16.2 C54.2 C79.2 C80.1 C104.1 C107.1 C108.2 C109.2 C110.2 C111.2 C112.2 C117.1 C118.2 C121.1 C122.2 C177.2 C178.1 C179.1 C182.2 C200.1 C203.1 C222.2 C224.2 C225.2 C226.2 C227.2 C230.1 C232.2 C233.2 C234.2 C263.2 C269.2 C290.1 C291.2 D16.2 D53.2(K) D61.1 FB3.2 FB9.1 J12.10 J28.2 J29.7 J30.7 L3.2 Q5.1 Q6.1 R7.2 R9.2 R53.1 R60.1 R63.1 R64.1 R83.1 R94.1 R106.1 R108.1 R109.1 R113.1 R138.1 R139.1 R145.1 R146.1 R147.1 R148.1 R149.1 R150.1 R151.1 R153.1 R154.1 R177.1 R190.1 R192.1 R193.1 R196.1 R197.1 R232.2 R233.1 R236.1 R244.1 R245.1 R246.1 R264.1 R268.2 R269.2 R270.2 R271.2 R272.2 R273.1 R275.2 R279.2 R282.2 R284.2 TP24.1(TEST) U2.5 U15.5 U20.4 U20.6 U24.14 U24.33 U24.39 U24.64 U24.88 U36.14(VOS) U39.2 U40.5 U43.9(VCC) U44.5 U45.3 U45.12 U45.22 U45.25 U45.34 U45.43 U47.8 U48.4 U48.6 U52.5 U54.8
3V3_CB_EN: D54.2(K) D55.2(K) D56.2(K) D59.2(K) R235.1 TP64.1(TEST) U36.13
3V3_CM4: C59.1 C60.1 C61.1 C62.1 C63.2 C64.2 R85.1 R295.2 U17.5 U18.5 U19.84 U19.86 U51.2
3V3_CODEC: C85.2 C87.1 C88.2 C89.1 C90.2 C91.1 TP47.1(TEST) U20.1(OUT) U22.5 U22.20(VDDIO) U23.4(VDD)
3V3_PG: D56.1 R236.2 TP21.1(TEST) U36.4 U37.13
